# Altium PCB Sensy_Boi_pcb.PcbDoc
Units mm, origin at the board's own origin, x right, y up, seen from the top; angles counter-clockwise.
Board outline 80.4 x 77.8 mm, 2 copper layers (Top Layer, Bottom Layer); 37 components, 54 nets, 177 pads, 14 vias.
Unrouted connection lines stored in the file: 2.
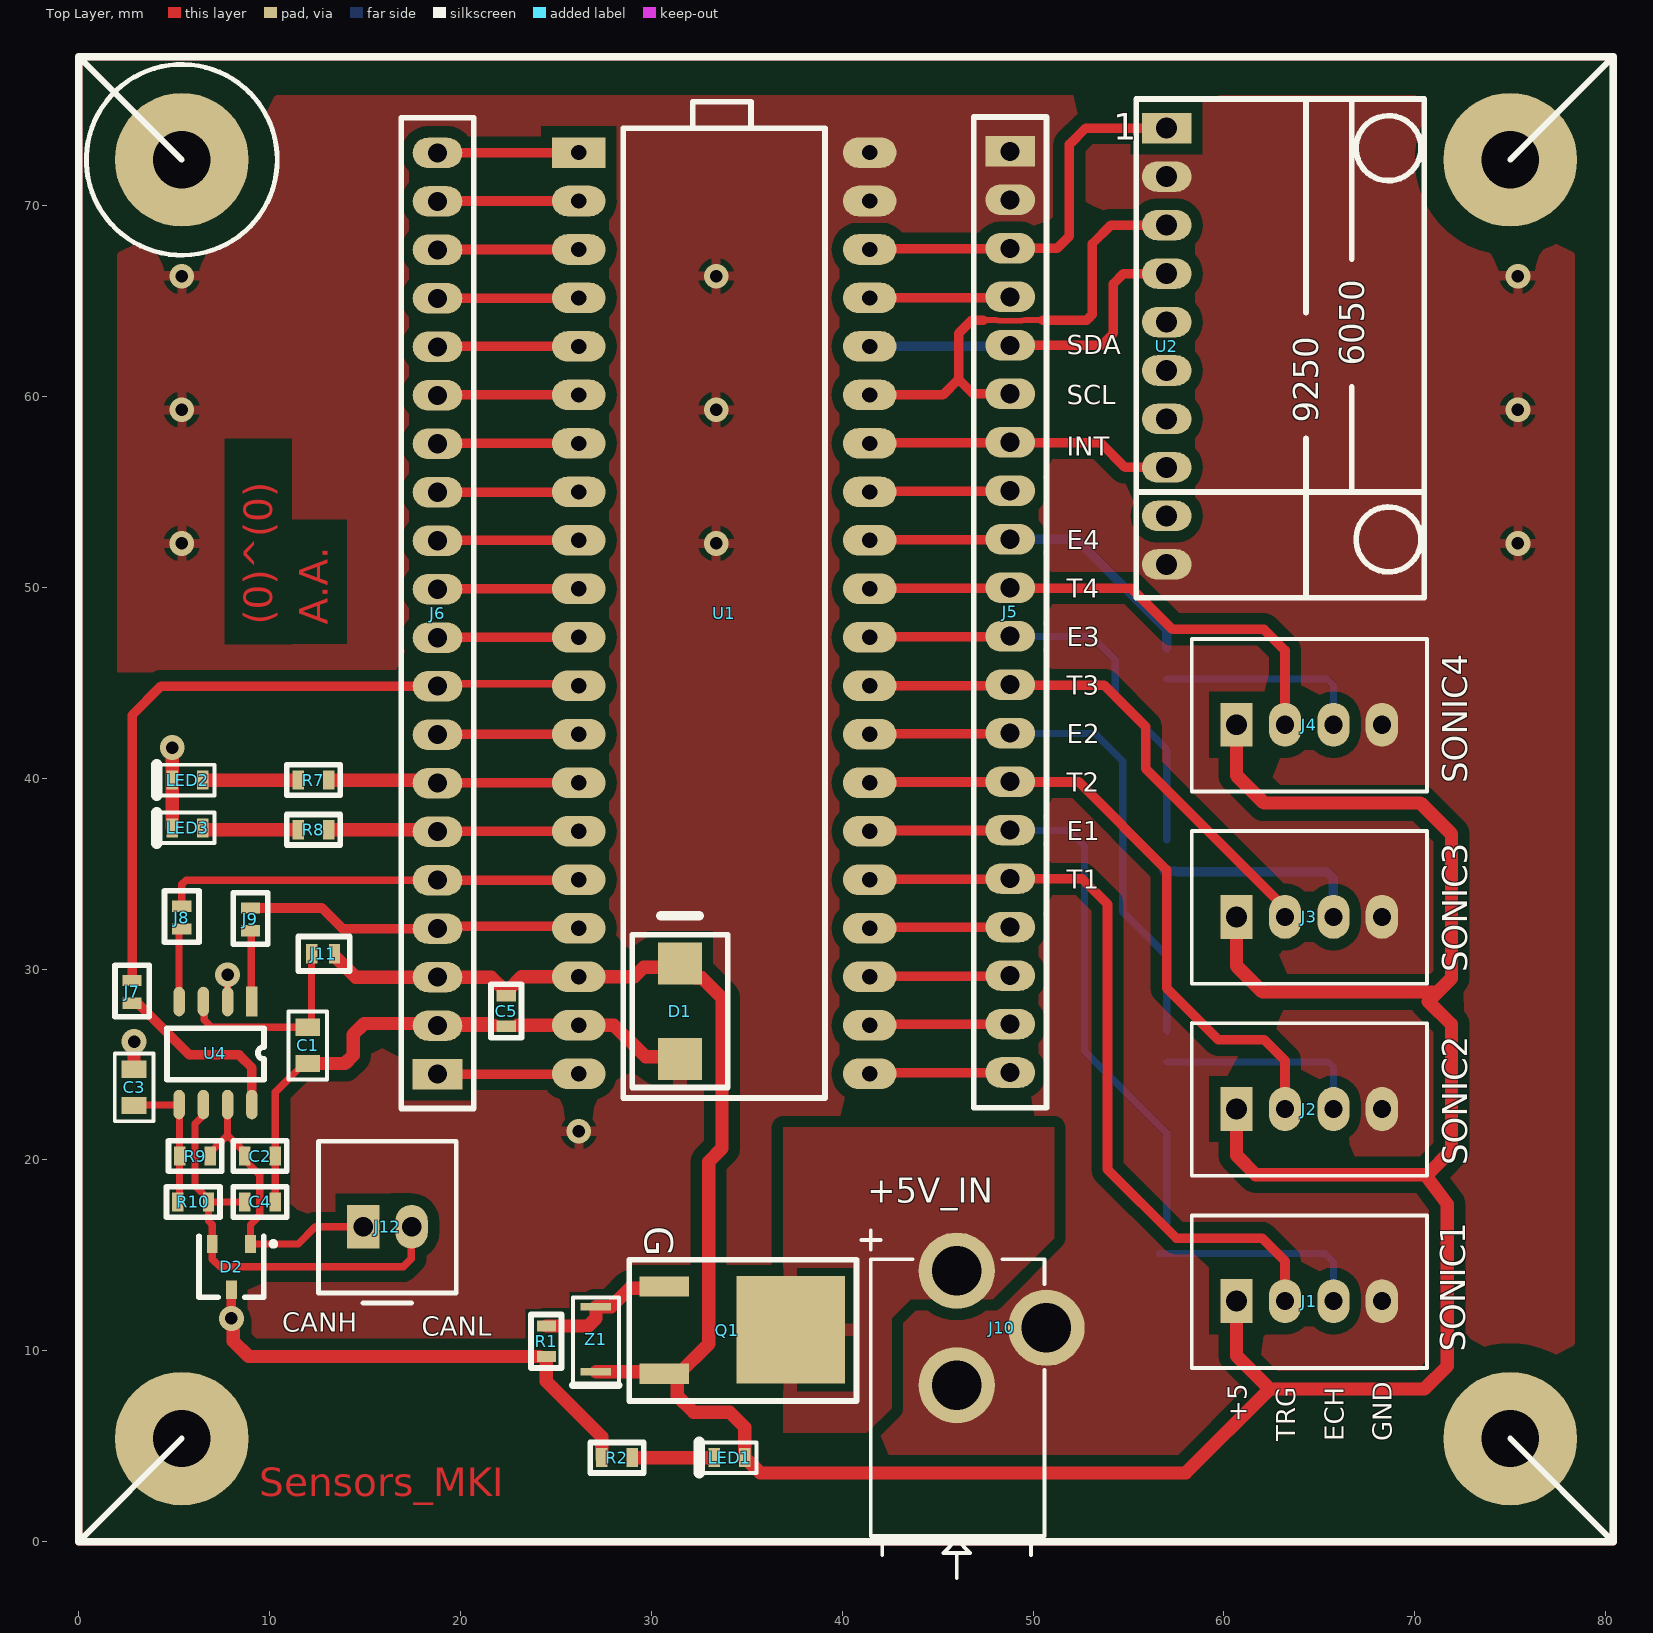
[diagram p0: Top Layer view]
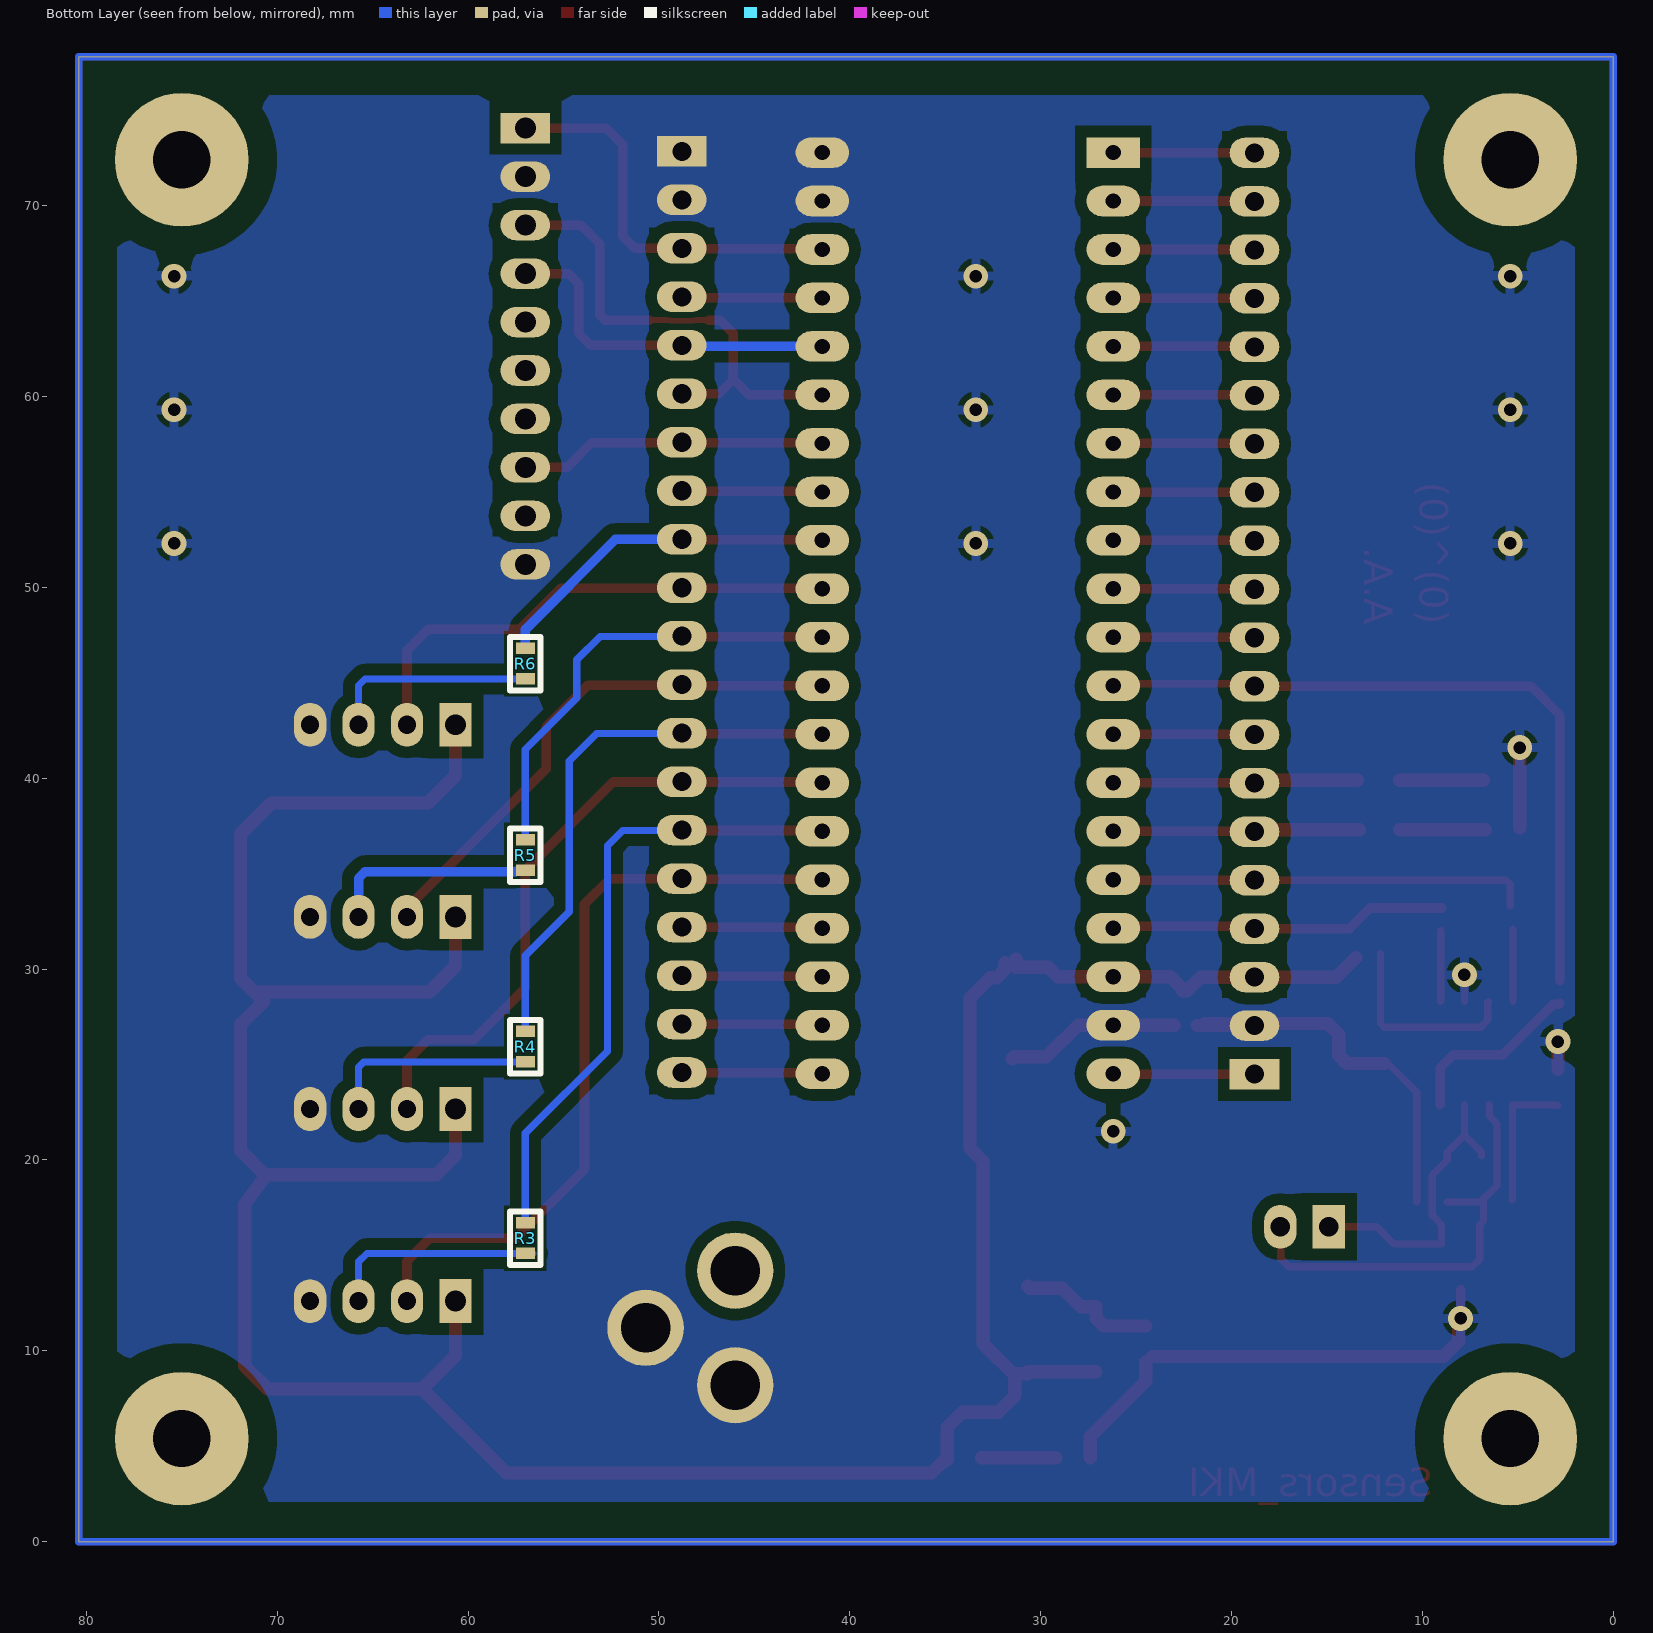
[diagram p1: Bottom Layer view, seen from below]

## Layer stack, top to bottom
Top Solder: solder mask 0.0102, Solder Resist, Dk 3.5
Top Layer: signal copper 0.0356
Dielectric 1: dielectric 0.32, FR-4, Dk 4.8
Bottom Layer: signal copper 0.0356
Bottom Solder: solder mask 0.0102, Solder Resist, Dk 3.5

## Board outline
0,0 0,77.8 80.4,77.8 80.4,0

## Design rules (kind name [scope] priority, off if disabled: settings)
BoardOutlineClearance [All] p1: gap=2 ignorepadtopadclearanceinfootprint=FALSE
Clearance Clearance_3 [InNamedPolygon('GND_L02_P007')] p1: gap=0.6 ignorepadtopadclearanceinfootprint=FALSE
Clearance Clearance_2 [InNamedPolygon('GND_L01_P008')] p2: gap=0.6 ignorepadtopadclearanceinfootprint=FALSE
Clearance Clearance_1 [InNamedPolygon('VCC_L01_P001')] p3: gap=0.4 ignorepadtopadclearanceinfootprint=FALSE
Clearance [All] p4: gap=0.3 ignorepadtopadclearanceinfootprint=FALSE
PolygonConnect [All] p1: thpad.connectstyle=Direct thpad.reliefconductorwidth=0.254 thpad.reliefentries=4 thpad.polygonreliefangle="90 Angle" thpad.airgapwidth=0.254 smdpad.connectstyle=Relief smdpad.reliefconductorwidth=0.7 smdpad.reliefentries=4 smdpad.polygonreliefangle="90 Angle" smdpad.airgapwidth=0.4 via.connectstyle=Relief via.reliefconductorwidth=0.5 via.reliefentries=4 via.polygonreliefangle="90 Angle" via.airgapwidth=0.3
RoutingVias [All] p1: holewidth=0.7 width=1.3 viastyle="Through Hole" minholewidth=0.6 minwidth=1.2 maxholewidth=0.8 maxwidth=1.4
SolderMaskExpansion [All] p1: expansion=0.102 istentingtop=FALSE
Width [All] p1: maxlimit=5 minlimit=0.3 preferedwidth=0.5
30 further rules are at their usual default settings.

## Components (designator, comment, footprint, x,y, rotation, side; value= is the part's Value field where it differs from the comment)
C1 "0805_100n" "C0805 - 0.1uf" 12,26 r90 top
C2 "0603_22p" 0603_CAP 10.3,20.2 r180 top
C3 "0805_47n" "C0805 - 0.1uf" 2.9,23.8 r270 top
C4 "0603_22p" 0603_CAP 10.3,17.8 r180 top
C5 "0603_100n" 0603_CAP 22.4,28.6 r270 top
D1 "5V ESD Protection" D0-214AA 31.5,30.3 r270 top
D2 "NUP2105L" SO-23 8,14.4 r180 top
J1 "Data HDR 1x4 2.54mm" DHDR_1x4_2.54mm 65.74,12.6 r90 top
J2 "Data HDR 1x4 2.54mm" DHDR_1x4_2.54mm 65.74,22.667 r90 top
J3 "Data HDR 1x4 2.54mm" DHDR_1x4_2.54mm 65.74,32.733 r90 top
J4 "Data HDR 1x4 2.54mm" DHDR_1x4_2.54mm 65.74,42.8 r90 top
J5 "1*20 Fem 2.54mm" "20*1 FEM 2.54mm" 48.8,72.84 r0 top
J6 "1*20 Fem 2.54mm" "20*1 FEM 2.54mm" 18.8,24.5 r180 top
J7 "Jumper Pads" JMP 2.8,28.2 r90 top
J8 "Jumper Pads" JMP 5.4,32.1 r90 top
J9 "Jumper Pads" JMP 9,32 r90 top
J10 "Barrel Power Jack" pwr_Jack 46,14.2 r180 top
J11 "Jumper Pads" JMP 12.2,30.8 r0 top
J12 "HDR SCK 1*2 100MILS" "DHDR 1*2 2,54MM" 16.17,16.5 r90 top
LED1 "0603_Red" 0603_LED 34.9,4.4 r180 top
LED2 "0603_Red" 0603_LED 6.5,39.9 r180 top
LED3 "0603_Red" 0603_LED 6.5,37.4 r180 top
Q1 "AOD403" DPAK 30.675,13.375 r270 top
R1 "10kΩ" 0603_CAP 24.5,9.7 r90 top
R2 "330Ω" 0603_CAP 27.4,4.4 r0 top
R3 "0603_1kΩ" 0603_CAP 57,16.7 r270 bottom
R4 "0603_1kΩ" 0603_CAP 57,26.733 r270 bottom
R5 "0603_1kΩ" 0603_CAP 57,36.767 r270 bottom
R6 "0603_1kΩ" 0603_CAP 57,46.8 r270 bottom
R7 "0603_10kΩ" 0603_CAP 11.5,39.9 r0 top
R8 "0603_10kΩ" 0603_CAP 11.5,37.3 r0 top
R9 "0603_1k2" 0603_CAP 5.3,20.2 r0 top
R10 "0603_1k2" 0603_CAP 6.8,17.8 r180 top
U1 "BluePill" BluePill 26.2,72.78 r0 top
U2 "MPU-9250 9-DOF" MPU9250 57,74.06 r0 top
U4 "TJA1040T" "SOP8 - duplicate" 9.07,28.3 r270 top
Z1 "5V1 LL-34" LL-34 27.1,10.6 r270 top

## Footprints (in the part's own frame and the unit in brackets; to place one, negate y for a bottom-side part, rotate by r counter-clockwise, add the part's x,y. Pads: shape width x height; smd on the part's side, far side on the other; paste and mask are expansions set on the pad)
"20*1 FEM 2.54mm" [mm]
  rect 2.6x1.6 hole 1: 1(0,0)
  oval 2.6x1.6 hole 1: 2(0,-2.54) 3(0,-5.08) 4(0,-7.62) 5(0,-10.16) 6(0,-12.7) 7(0,-15.24) 8(0,-17.78) 9(0,-20.32) 10(0,-22.86) 11(0,-25.4) 12(0,-27.94) 13(0,-30.48) 14(0,-33.02) 15(0,-35.56) 16(0,-38.1) 17(0,-40.64) 18(0,-43.18) 19(0,-45.72) 20(0,-48.26)
  silkscreen extent -1.9,-50.1 1.9,1.8, body extent -1.25,-49.73 1.25,1.47, height 8.51
0603_CAP [mm]
  rect 0.6x1 smd: 1(0,0) 2(1.6,0)
  silkscreen extent -0.6,-0.8 2.2,0.8, body extent 0,-0.4 1.6,0.4, height 0.81
0603_LED [mm]
  rect 0.6x1 smd: 1(0,0) 2(1.6,0)
  silkscreen extent -0.62,-0.8 2.4,0.8, body extent -0.01,-0.5 1.61,0.5, height 0.98
BluePill [mm] "STM32_BluePill"
  rect 2.8x1.6 hole 0.8: 1(0,0)
  oval 2.8x1.6 hole 0.8: 2(0,-2.54) 3(0,-5.08) 4(0,-7.62) 5(0,-10.16) 6(0,-12.7) 7(0,-15.24) 8(0,-17.78) 9(0,-20.32) 10(0,-22.86) 11(0,-25.4) 12(0,-27.94) 13(0,-30.48) 14(0,-33.02) 15(0,-35.56) 16(0,-38.1) 17(0,-40.64) 18(0,-43.18) 19(0,-45.72) 20(0,-48.26) 21(15.24,-48.26) 22(15.24,-45.72) 23(15.24,-43.18) 24(15.24,-40.64) 25(15.24,-38.1) 26(15.24,-35.56) 27(15.24,-33.02) 28(15.24,-30.48) 29(15.24,-27.94) 30(15.24,-25.4) 31(15.24,-22.86) 32(15.24,-20.32) 33(15.24,-17.78) 34(15.24,-15.24) 35(15.24,-12.7) 36(15.24,-10.16) 37(15.24,-7.62) 38(15.24,-5.08) 39(15.24,-2.54) 40(15.24,0)
  silkscreen extent 2.33,-49.53 12.91,2.67, body extent -4.06,-50.38 18.54,2.62, height 19.8
"C0805 - 0.1uf" [mm]
  rect 0.9x1.3 smd: 1(-0.95,0) 2(0.95,0)
  silkscreen extent -1.78,-1.02 1.78,1.02, body extent -1,-0.6 1,0.6, height 0.96
D0-214AA [mm]
  rect 2.2x2.3 smd: A(5,0) K(0,0)
  silkscreen extent -2.5,-2.5 6.5,2.5, body extent -0.25,-1.95 5.25,1.95, height 2.45
"DHDR 1*2 2,54MM" [mm]
  rect 2.3x1.7 hole 1.016: 1(0,1.27)
  oval 2.3x1.7 hole 1.016: 2(0,-1.27)
  silkscreen extent -4,-3.61 4.48,3.61, body extent -3.47,-3.61 4.48,3.61, height 10.43
DHDR_1x4_2.54mm [mm]
  rect 2.3x1.7 hole 1.1: 1(0,5.08)
  oval 2.3x1.7 hole 0.95: 2(0,2.54) 3(0,0) 4(0,-2.54)
  silkscreen extent -3.5,-4.9 4.5,7.43, body extent -3.47,-4.95 4.48,7.34, height 10.43
DPAK [mm]
  rect 5.632x5.7 smd: D(2.275,6.625)
  rect 1.06x2.6 smd: G(0,0) S(4.572,0)
  silkscreen extent -1.4,-1.83 6,10.07, body extent -0.97,-0.5 5.53,8.2, height 2.3
JMP [mm]
  rect 0.6x1 smd: 1(0,0) 2(1.2,0)
  silkscreen extent -0.7,-0.9 2,0.9
LL-34 [mm]
  rect 0.4x1.6 smd: A(-1.7,0) K(1.7,0)
  silkscreen extent -2.2,-1.2 2.4,1.2, body extent -1.75,-0.75 1.75,0.75, height 1.45
MPU9250 [mm]
  rect 2.6x1.6 hole 1.1: 1(0,0)
  oval 2.6x1.6 hole 1.1: 2(0,-2.54) 3(0,-5.08) 4(0,-7.62) 5(0,-10.16) 6(0,-12.7) 7(0,-15.24) 8(0,-17.78) 9(0,-20.32) 10(0,-22.86)
  silkscreen extent -1.6,-24.6 13.5,1.52, body extent -1.4,-24.33 13.6,1.47, height 14.7
pwr_Jack [mm]
  round 4 hole 2.6: 1(0,0) 2(-4.7,3) 3(0,6)
  silkscreen extent -4.6,-2.1 5,16.1, body extent -4.8,-0.6 4.5,13.8, height 11.01
SO-23 [mm]
  rect 0.56x0.95 smd: 1(-1,-1.2) 2(1,-1.2) 3(0,1.2)
  silkscreen extent -2.3,-1.6 1.7,1.6, body extent -1.5,-1.42 1.5,1.42, height 1.2
"SOP8 - duplicate" [mm]
  rect 1.55x0.6 smd: 1(0,0)
  oval 1.55x0.6 smd: 2(0,-1.27) 3(0,-2.54) 4(0,-3.81) 5(5.4,-3.81) 6(5.4,-2.54) 7(5.4,-1.27) 8(5.4,0)
  silkscreen extent 1.4,-4.44 4.1,0.64, body extent -0.43,-4.37 5.77,0.64, height 1.62

## Part data
C1 C3: library part C2012X5R1E105K125AA, "TDK - C2012X5R1E105K125AA - SMD Multilayer Ceramic Capacitor, 1 µF, 25 V, 0805 [2012 Metric], ± 10%, X5R, C Series", Capacitance=1uF, Case Code (Imperial)=0805, Case Code (Metric)=2012, Dielectric=X5R, Dielectric Material=Ceramic, Manufacturer 1=TDK, Max Operating Temperature=85°C, Min Operating Temperature=-55°C, Package Quantity=2000, Supplier Part Number 1=445-1419-1-ND, Tolerance=10%, Voltage=25V, Case/Package=0805, ComponentLink1Description=https://datasheet.ciiva.com/11787/0900766b80c1bb00-11787608.pdf?src-supplier=RSComponents, ComponentLink1URL=https://datasheet.ciiva.com/11787/0900766b80c1bb00-11787608.pdf?src-supplier=RSComponents, ComponentLink2Description=https://datasheet.ciiva.com/16449/e412-c-16449595.pdf?src-supplier=Future+Electronics, ComponentLink2URL=https://datasheet.ciiva.com/16449/e412-c-16449595.pdf?src-supplier=Future+Electronics, ComponentLink3Description=https://datasheet.ciiva.com/28602/1744655-28602171.pdf?src-supplier=Element14, ComponentLink3URL=https://datasheet.ciiva.com/28602/1744655-28602171.pdf?src-supplier=Element14, ComponentLink4Description=https://datasheet.ciiva.com/15192/getdatasheetpartid-726707-15192140.pdf?src-supplier=Verical, ComponentLink4URL=https://datasheet.ciiva.com/15192/getdatasheetpartid-726707-15192140.pdf?src-supplier=Verical, Depth=1.25mm, Height=1.25mm, Lead Free="Lead Free", Length=2mm, Manufacturer Part Number 1=C2012X5R1E105K125AA, Mount="Surface Mount", Number of Pins=2, Parameter Name 1="Tape and Reel", Pricing 1="1=0.23000, 10=0.15800, 50=0.09500, 100=0.08030, 500=0.05492, 1000=0.04858 (USD)", Radiation Hardening=No, REACH SVHC="No SVHC", Resistor Type=Ceramic, RoHS=Yes, Stock 1=16168, Supplier 1=Digi-Key, Termination=SMD/SMT, Thickness=0.057inch, Voltage Rating=25V, Voltage Rating (DC)=25V, Weight=0.000194oz, Width=0.049inch
C2 C4 C5: library part "0603 Capacitor"
D1: library part SMBJ5.0A
D2: "ESD Protection Dual Diode for CAN Bus Line Protection"
J1 J2 J3 J4: library part "4-Pin Data Connector", "MTA-100 Series, 2.54mm Pitch 4 Way 1 RowStraight PCB Header, Solder Term, 5A", Color=Black, Contact Current Rating=5A, Contact Resistance=6mR, Flammability Rating="UL94 V-0", Manufacturer 1="TE Connectivity", Manufacturer Part Number 1=2-644861-4, Max Operating Temperature=221°C, Max Voltage Rating (AC)=250V, Min Operating Temperature=-67°C, Package Quantity=500, Supplier Part Number 1=A30933-ND, Approvals=CSA, Backwall/Post Interruptions="No (Without)", ComponentLink1Description=https://datasheet.ciiva.com/7800/1651878-7800290.pdf?src-supplier=Element14, ComponentLink1URL=https://datasheet.ciiva.com/7800/1651878-7800290.pdf?src-supplier=Element14, ComponentLink2Description=https://datasheet.ciiva.com/15175/getdatasheetpartid-36841-15175492.pdf?src-supplier=Verical, ComponentLink2URL=https://datasheet.ciiva.com/15175/getdatasheetpartid-36841-15175492.pdf?src-supplier=Verical, ComponentLink3Description=https://datasheet.ciiva.com/11759/0900766b80f915a0-11759930.pdf?src-supplier=RSComponents, ComponentLink3URL=https://datasheet.ciiva.com/11759/0900766b80f915a0-11759930.pdf?src-supplier=RSComponents, ComponentLink4Description=https://datasheet.ciiva.com/714/eng-cd-644861-n-basefilename-714593.pdf?src-supplier=Digi-Key, ComponentLink4URL=https://datasheet.ciiva.com/714/eng-cd-644861-n-basefilename-714593.pdf?src-supplier=Digi-Key, ComponentLink5Description=https://datasheet.ciiva.com/16684/eng-ds-82056-mta-0608-16684709.pdf?src-supplier=Avnet+Europe, ComponentLink5URL=https://datasheet.ciiva.com/16684/eng-ds-82056-mta-0608-16684709.pdf?src-supplier=Avnet+Europe, ComponentLink6Description=https://datasheet.ciiva.com/16497/eng-ds-82056-mta-0608-16497871.pdf?src-supplier=Avnet+Asia, ComponentLink6URL=https://datasheet.ciiva.com/16497/eng-ds-82056-mta-0608-16497871.pdf?src-supplier=Avnet+Asia, Connector System=Wire-to-Board, Connector Type=Plug,Header,Pin, Contact Gender=Male, Contact Material="Copper Alloy", Contact Mating Length=5.1mm, Contact Plating=Tin,Matte, Contact Post Length=3.56mm, Contact Retention="No (Without)", Contact Shape=Square, Contact Style=Straight, Current Rating=5A, Depth=7.95mm, ELV=Compliant, Fastening Type=Friction, Gender=Male, Height=10.41mm, Housing Color=Black, Housing Material=Polyester, Lead Free="Lead Free", Length=12.29mm, Mating Alignment="Yes (With)", Mating Retention="Yes (With)", Mount="Through Hole", Number of Contacts=4, Number of Positions=4, Number of Rows=1, Orientation=Straight, Packaging="Loose Piece", PCB Mount Alignment="No (Without)", PCB Mount Retention=Without, PCB Mounting Orientation=Vertical, PCB Thickness=0.063inch, Pitch=2.54mm, Plating Thickness=6.35um, Pricing 1="1=0.79000, 10=0.74100, 100=0.56790, 500=0.49380, 1000=0.40739, 5000=0.35801, 10000=0.33332 (USD)", Radiation Hardening=No, REACH SVHC=Unknown, RoHS=Yes, Sealable="No (Without)", Shrouded="Yes (With)", Stock 1=18767, Strain Relief="No (Without)", Supplier 1=Digi-Key, Tail Length=3.56mm, Termination=Solder, Underplate Material=Nickel, Voltage Rating=250V, Voltage Rating (AC)=250V
J10: library part Con-Jack, "DC-Power Socket 12V 5A 2, 1mm Solder Eyel", Current Rating=5A, Manufacturer 1=Cliff, Manufacturer Part Number 1=FC68148, Supplier Part Number 1=735742, ComponentLink1Description=http://www.farnell.com/datasheets/317160.pdf?src-supplier=Farnell, ComponentLink1URL=http://www.farnell.com/datasheets/317160.pdf?src-supplier=Farnell, ComponentLink2Description=http://www.rapidonline.com/pdf/735742_da_en_01.pdf?src-supplier=Rapid+Electronics, ComponentLink2URL=http://www.rapidonline.com/pdf/735742_da_en_01.pdf?src-supplier=Rapid+Electronics, ComponentLink3Description=http://www.produktinfo.conrad.com/datenblaetter/725000-749999/735742-da-01-en-DC_BUCHSE_2_1MM_FC68148.pdf?src-supplier=Conrad, ComponentLink3URL=http://www.produktinfo.conrad.com/datenblaetter/725000-749999/735742-da-01-en-DC_BUCHSE_2_1MM_FC68148.pdf?src-supplier=Conrad, Connector Type=Socket, Height=0.25inch, Inside Diameter=6.3mm, Length=5inch, Orientation="Right Angle", Parameter Name 1=Bulk, RoHS=Yes, Supplier 1=Conrad, Weight=0.1lb, Width=3inch
J12: library part "2-Pin Data Connector", "Conn Shrouded Header HDR 2 POS 2.54mm Solder ST Thru-Hole", Color=Black, Contact Current Rating=5A, Contact Resistance=6mR, Flammability Rating="UL94 V-0", Manufacturer 1="TE Connectivity", Manufacturer Part Number 1=2-644861-2, Max Operating Temperature=221°C, Max Voltage Rating (AC)=250V, Min Operating Temperature=-67°C, Package Quantity=500, Supplier Part Number 1=A30931-ND, Approvals=CSA, Backwall/Post Interruptions="No (Without)", ComponentLink1Description=https://datasheet.ciiva.com/16303/eng-ds-82056-mta-0608-16303634.pdf?src-supplier=Future+Electronics, ComponentLink1URL=https://datasheet.ciiva.com/16303/eng-ds-82056-mta-0608-16303634.pdf?src-supplier=Future+Electronics, ComponentLink2Description=https://datasheet.ciiva.com/30111/8852eng-ds-82056-mta-0608-30111398.pdf?src-supplier=Onlinecomponents.com, ComponentLink2URL=https://datasheet.ciiva.com/30111/8852eng-ds-82056-mta-0608-30111398.pdf?src-supplier=Onlinecomponents.com, ComponentLink3Description=https://datasheet.ciiva.com/709/eng-cd-644861-n-basefilename-709739.pdf?src-supplier=Digi-Key, ComponentLink3URL=https://datasheet.ciiva.com/709/eng-cd-644861-n-basefilename-709739.pdf?src-supplier=Digi-Key, ComponentLink4Description=https://datasheet.ciiva.com/3118/eng-ds-82056-mta-0608-3118126.pdf?src-supplier=Avnet, ComponentLink4URL=https://datasheet.ciiva.com/3118/eng-ds-82056-mta-0608-3118126.pdf?src-supplier=Avnet, Connector System=Wire-to-Board, Connector Type=Plug,Header,Pin, Contact Gender=Male, Contact Material="Copper Alloy", Contact Mating Length=5.1mm, Contact Plating=Tin,Matte, Contact Post Length=3.56mm, Contact Retention="No (Without)", Contact Shape=Square, Contact Style=Straight, Current Rating=5A, Depth=7.95mm, ELV=Compliant, Fastening Type=Friction, Gender=Male, Height=10.41mm, Housing Color=Black, Housing Material=Polyester, Lead Free="Lead Free", Length=7.21mm, Mating Alignment="Yes (With)", Mating Retention="Yes (With)", Mount="Through Hole", Number of Contacts=2, Number of Positions=2, Number of Rows=1, Orientation=Straight, Packaging=Bag, PCB Mount Alignment="No (Without)", PCB Mount Retention=Without, PCB Mounting Orientation=Vertical, PCB Thickness=0.063inch, Pitch=2.54mm, Plating Thickness=6.3um, Pricing 1="1=0.41000, 10=0.39200, 100=0.27420, 500=0.23506, 1000=0.19588, 5000=0.16790, 10000=0.15670 (USD)", Radiation Hardening=No, REACH SVHC=Unknown, RoHS=Yes, Sealable="No (Without)", Shrouded="Yes (With)", Stock 1=3206, Strain Relief="No (Without)", Supplier 1=Digi-Key, Tail Length=3.56mm, Termination=Solder, Underplate Material=Nickel, Voltage Rating=250V, Voltage Rating (AC)=250V
LED1 LED2 LED3: library part 0603LED
Q1: "MOSFET Transistor P-Channel 30V 15A 3.5V @ 250uA 6mΩ @ 20A,20V 2.5W TO-252-2(DPAK)"
R1 R2 R7 R8 R9 R10: library part "0603 Resistor"
R3 R4 R5 R6: library part "0603 Resistor", "1k +/- 1 100mW"
U1: library part "STM32 BluePill"
U2: library part "MPU-9250 IMU"
U4: "CAN Transceiver"
Z1: library part "Zener 5V1 LL-34"

## Free pads (board coordinates)
  round 7 hole 3: 1(5.4,72.4) 1(5.4,5.4) 1(75,5.4) 1(75,72.4)

## Via types
v1: diameter 1.3, hole 0.65, Top Layer to Bottom Layer, 14 vias

## Nets (pads, with @x,y where several pads share a name; then routed paths per layer and width w, separated by ;. In a path a pad name is that pad's centre, name@x,y a point inside that pad or via, vN(x,y) a via of type N, cw(c..) or ccw(c..) an arc to the next point about the centre after c; other vN are vias at no path point)
+3V3_1: J6.1 U1.20 | length 8.2
  Top Layer w0.5: J6.1@17.96,24.5 U1.20@26.18,24.5
+3V3_2: J5.3 U1.38 U2.1 | length 21.8
  Top Layer w0.5: U1.38@41.48,67.74 J5.3@49.7,67.74 ; J5.3 51.26,67.76 51.9,68.4 51.9,73.2 52.76,74.06 U2.1
+5V: C5.1 D1.K J1.1 J2.1 J3.1 J4.1 J6.3 J11.2 LED1.1 Q1.S U1.18 Z1.K | length 170.7
  Top Layer w0.7: J11.2@13.5,30.6 14.52,29.58 J6.3 21.62,29.58 22.35,28.85 22.55,28.85 22.55,28.95 23.2,29.6 U1.18 29.1,29.6 29.6,30.1 31.3,30.1 D1.K D1.K@31.275,30.525 ; Z1.K 30.675,8.9 Q1.S 31.445,8.803 33,10.358 33,19.9 33.7,20.6 33.7,28.5 32.65,29.55 32.3,29.55 31.873,29.977 D1.K@31.873,30.327 ; Q1.S@31.367,8.623 31.367,7.633 32.213,6.787 34.113,6.787 34.9,6 LED1.1 34.9,4.3 34.95,4.25 35.05,4.25 35.7,3.6 58,3.6 62.4,8 ; J1.1 60.66,9.74 62.4,8 ; J2.1 60.66,20.24 61.675,19.225 70.551,19.225 ; J3.1 60.66,30.16 62.02,28.8 71.2,28.8 ; J4.1 60.66,40.14 62.1,38.7 70.3,38.7 71.925,37.075 71.925,29.525 71.2,28.8 ; 62.4,8 70.5,8 71.7,9.2 71.7,17.452 71.7,17.685 70.551,19.225 ; 70.551,19.225 70.65,19.225 71.925,20.5 71.925,27.1 71.9,27.1 70.7,28.3 71.2,28.8
CAN_H: C2.2 D2.1 J12.1 R9.2 U4.7 | length 16.9
  Top Layer w0.381: R9.2 6.9,20.4 7.8,21.3 ; U4.7 7.8,21.3 ; J12.1@14.24,15.8 14.9,16.46 J12.1 12.4,16.5 11.5,15.6 D2.1 9,16.606 9.49,17.097 9.49,19.21 8.7,20 C2.2 8.7,20.4 7.8,21.3
CAN_L: C4.2 D2.2 J12.2 R10.1 U4.6 | length 23
  Top Layer w0.381: U4.6@6.517,22.887 6.488,22.858 6.488,22.287 6.096,21.895 6.096,18.64 6.627,18.11 6.69,18.11 6.8,18 R10.1 ; D2.2@7.001,15.599 7.001,14.799 7.4,14.4 17,14.4 17.427,14.827 J12.2@17.427,16.487 ; D2.2 7,16.6 6.8,16.8 R10.1 ; C4.2 6.987,17.8 R10.1
CAN_RX: J8.1 U4.4 | length 3.8
  Top Layer w0.381: U4.4 J8.1@5.26,32.1
CAN_STB: J7.1 U4.8 | length 9.6
  Top Layer w0.5: J7.1 2.85,28.15 3.15,28.15 5.8,25.5 8.4,25.5 9.07,24.83 U4.8
CAN_TX: J9.1 U4.1 | length 3.7
  Top Layer w0.381: J9.1@9.035,32 9.035,28.335 U4.1
Echo_1: J5.15 R3.1 U1.26 | length 33.1
  Top Layer w0.5: U1.26@41.48,37.26 J5.15@49.7,37.26
  Bottom Layer w0.381: J5.15@49.7,37.26 51.9,37.26 52.7,36.46 52.7,25.7 57,21.4 R3.1
Echo_2: J5.13 R4.1 U1.28 | length 28.9
  Top Layer w0.5: U1.28@41.48,42.34 J5.13@49.7,42.34
  Bottom Layer w0.381: J5.13@49.7,42.34 53.26,42.34 54.7,40.9 54.7,33 57,30.7 R4.1
Echo_3: J5.11 R5.1 U1.30 | length 23.9
  Top Layer w0.5: U1.30@41.48,47.42 J5.11@49.7,47.42
  Bottom Layer w0.381: J5.11@49.7,47.42 53.08,47.42 54.3,46.2 54.3,44.2 57,41.5 R5.1
Echo_4: J5.9 R6.1 U1.32 | length 18.3
  Top Layer w0.5: U1.32@41.48,52.5 J5.9@49.7,52.5
  Bottom Layer w0.5: J5.9@49.91,52.508 52.292,52.508 57,47.8 R6.1
GND: C1.1 C2.1 C3.1 C4.1 C5.2 D1.A D2.3 J1.4 J2.4 J3.4 J4.4 J5.1 J5.2 J6.2 J10.2 J10.3 LED2.2 LED3.2 pad.1@5.4,72.4 pad.1@75,72.4 R1.1 R2.1 U1.19 U1.39 U1.40 U2.2 U2.10 U4.2 | length 63.6
  Top Layer w0.381: U4.2 v1(7.8,29.7) ; C4.1 C2.1 10.3,23.55 11.8,25.05 C1.1
  Top Layer w0.5: v1(8,11.7) D2.3
  Top Layer w0.7: C3.1 v1(2.9,26.2) ; LED3.2 LED2.2 v1(4.9,41.6) ; v1(8,11.7) 8.1,11.6 8.1,10.5 8.9,9.7 R1.1@24.15,9.7 ; C1.1 13.95,25.05 14.375,25.475 14.375,26.575 14.95,27.15 21.4,27.15 ; J6.2 21.8,27.04 ; 22.994,27.06 U1.19@26.194,27.06 ; 24.5,9.4 24.5,8.4 27.4,5.5 R2.1 ; U1.19 28.04,27.06 29.7,25.4 31.4,25.4 D1.A D1.A@31.45,25.3
  other v1: 26.2,21.5 5.4,52.3 33.4,52.3 75.4,52.3 5.4,59.3 33.4,59.3 75.4,59.3 5.4,66.3 33.4,66.3 75.4,66.3
MISO2: J6.18 U1.3 | length 8.2
  Top Layer w0.5: J6.18@17.98,67.7 U1.3
MOSI2: J6.17 U1.4 | length 8.2
  Top Layer w0.5: J6.17@17.96,65.14 U1.4@26.18,65.14
NetC1_2: C1.2 J11.1 U4.3 | length 10.5
  Top Layer w0.381: U4.3 6.572,28.258 6.572,27.328 6.95,26.95 C1.2 12.2,27.15 J11.1
NetJ1_3: J1.3 R3.2 | length 11.4
  Bottom Layer w0.381: R3.2@56.615,15.1 R3.2 65.3,15.1 65.74,14.66 J1.3
NetJ2_3: J2.3 R4.2 | length 11
  Bottom Layer w0.381: R4.2 65.467,25.133 65.74,24.86 J2.3
NetJ3_3: J3.3 R5.2 | length 11
  Bottom Layer w0.5: R5.2@56.885,35.117 57.496,35.117 57.513,35.1 65.4,35.1 65.74,34.76 J3.3
NetJ4_3: J4.3 R6.2 | length 10.9
  Bottom Layer w0.381: R6.2 65.4,45.2 65.74,44.86 J4.3
NetLED1_2: LED1.2 R2.2 | length 3.9
  Top Layer w0.7: R2.2@29.2,4.4 LED1.2@33.1,4.4
NetLED2_1: LED2.1 R7.1 | length 4.4
  Top Layer w0.7: 6.8,39.9 11.2,39.9
NetLED3_1: LED3.1 R8.1 | length 4.5
  Top Layer w0.7: LED3.1@6.7,37.3 11.2,37.3
NetQ1_G: Q1.G R1.2 Z1.A | length 7.4
  Top Layer w0.7: R1.2 26.69,11.3 27.1,11.71 Z1.A 27.9,12.3 28.868,13.268 30.568,13.268 Q1.G
NRST: J5.4 U1.37 | length 8.2
  Top Layer w0.5: U1.37@41.46,65.18 J5.4@49.68,65.18
PA8: J6.16 U1.5 | length 8.2
  Top Layer w0.5: J6.16@17.98,62.62 U1.5
PA11: J6.13 U1.8 | length 8.2
  Top Layer w0.5: J6.13@17.96,54.98 U1.8@26.18,54.98
PA12: J6.12 U1.9 | length 8.2
  Top Layer w0.5: J6.12@17.98,52.46 U1.9
PA15: J6.11 U1.10 | length 8.2
  Top Layer w0.5: J6.11@17.98,49.92 U1.10
PB0: J5.8 U1.33 | length 8.2
  Top Layer w0.5: U1.33@41.48,55.04 J5.8@49.7,55.04
PB1: J5.7 U1.34 U2.8 | length 16.1
  Top Layer w0.5: U1.34@41.48,57.58 49.7,57.58 53.52,57.58 54.82,56.28 U2.8
PB3: J6.10 U1.11 | length 8.2
  Top Layer w0.5: J6.10@17.98,47.38 U1.11
PB4: J6.9 J7.2 U1.12 | length 38
  Top Layer w0.381: J6.9@18.8,44.95 26.09,44.95 U1.12
  Top Layer w0.5: J7.2 2.8,43.3 4.32,44.82 J6.9
PB5: J6.8 U1.13 | length 8.2
  Top Layer w0.5: J6.8@17.98,42.3 U1.13
PB6: J6.7 R7.2 U1.14 | length 13
  Top Layer w0.5: J6.7@18.64,39.76 18.78,39.76 U1.14
  Top Layer w0.7: R7.2@13.4,39.9 18.64,39.9 18.78,39.76 J6.7
PB7: J6.6 R8.2 U1.15 | length 12.9
  Top Layer w0.5: J6.6@18.779,37.22 U1.15
  Top Layer w0.7: R8.2@13.3,37.3 J6.6@18.779,37.3
PB8: J6.5 J8.2 U1.16 | length 22.8
  Top Layer w0.381: J8.2 5.4,34.437 5.623,34.66 J6.5
  Top Layer w0.5: J6.5@17.96,34.66 18.56,34.66 J6.5 U1.16@26.18,34.66
PB9: J6.4 J9.2 U1.17 | length 17.7
  Top Layer w0.381: U1.17@26.09,32.25 U1.17
  Top Layer w0.5: J9.2 12.74,33.2 13.82,32.12 J6.4 ; J6.4@18.8,32.25 U1.17@26.09,32.25
PC13: J5.19 U1.22 | length 8.2
  Top Layer w0.5: U1.22@41.5,27.12 J5.19@49.72,27.12
PC14: J5.18 U1.23 | length 8.2
  Top Layer w0.5: U1.23@41.46,29.62 J5.18@49.68,29.62
PC15: J5.17 U1.24 | length 8.2
  Top Layer w0.5: U1.24@41.48,32.18 J5.17@49.7,32.18
RX1: J6.14 U1.7 | length 8.2
  Top Layer w0.5: J6.14@17.98,57.54 U1.7
SCK2: J6.19 U1.2 | length 8.2
  Top Layer w0.5: J6.19@17.98,70.24 U1.2
SCL2: J5.6 U1.35 U2.3 | length 25.9
  Top Layer w0.3: 47.4,64 48.028,64 ccw(c48.3,65.22) 48.3,63.97 49.3,63.97 ccw(c49.3,65.22) 49.546,63.994 cw(c49.603,63.7) 49.603,64 50.5,64
  Top Layer w0.5: U1.35 45.28,60.08 46.1,60.9 ; 47.4,64 46.8,64 46.1,63.3 46.1,60.9 ; J5.6 46.86,60.14 46.1,60.9 ; J5.6@49.651,60.071 J5.6@49.7,60.12 ; 50.5,64 52.807,64 52.954,64.146 53.1,64.293 53.1,68 54.08,68.98 U2.3
SDA2: J5.5 U1.36 U2.4 | length 18.6
  Top Layer w0.5: J5.5@49.722,62.682 53.582,62.682 54.2,63.3 54.2,65.9 54.74,66.44 U2.4
  Bottom Layer w0.5: U1.36 41.46,62.64 49.68,62.64 J5.5@49.7,62.66
SPLT: C3.2 R9.1 R10.2 U4.5 | length 7.4
  Top Layer w0.381: C3.2 2.925,22.875 5.235,22.875 U4.5 5.28,22.88 5.28,17.92 R10.2@5.3,17.9
SS2: J6.20 U1.1 | length 8.2
  Top Layer w0.5: J6.20@17.98,72.78 U1.1
Trig_1: J1.2 J5.16 U1.25 | length 40.3
  Top Layer w0.5: U1.25@41.46,34.7 J5.16@49.68,34.7 ; J5.16@49.7,34.72 52.58,34.72 53.9,33.4 53.9,19.5 57.5,15.9 62,15.9 63.2,14.7 J1.2
Trig_2: J2.2 J5.14 U1.27 | length 33.9
  Top Layer w0.5: U1.27@41.48,39.8 49.7,39.8 52.4,39.8 57,35.2 57,29 59.7,26.3 62.1,26.3 63.2,25.2 J2.2
Trig_3: J3.2 J5.12 U1.29 | length 28.4
  Top Layer w0.5: U1.29 49.66,44.84 49.7,44.88 53.72,44.88 55.9,42.7 55.9,40.5 63.2,33.2 J3.2
Trig_4: J4.2 J5.10 U1.31 | length 27
  Top Layer w0.381: U1.31 U1.31@41.46,49.94
  Top Layer w0.5: U1.31@41.46,49.94 49.68,49.94 49.7,49.96 55.14,49.96 57.3,47.8 62.1,47.8 63.2,46.7 J4.2
TX1: J6.15 U1.6 | length 8.2
  Top Layer w0.5: J6.15@17.98,60.08 U1.6
VBAT: J5.20 U1.21 | length 8.2
  Top Layer w0.5: U1.21@41.48,24.56 J5.20@49.7,24.56
VCC: J10.1 Q1.D
pads on no net: U2.5 U2.6 U2.7 U2.9
copper on no net: | length 632.6
  Top Layer w0.4: 0,0 80.4,0 80.4,77.8 0,77.8 0,0.1
  Bottom Layer w0.4: 0,0 80.4,0 80.4,77.8 0,77.8 0,0.1

## Polygon pours and split planes (outlines as drawn)
VCC on Top Layer "VCC_L01_P006" (solid, pour order 6): 36.9,5.7 36.9,21.7 51.1,21.7 51.1,15.9 47.9,12.7 43.6,12.7 42.6,11.7 42.6,7 41.3,5.7
GND on Top Layer "GND_L01_P008" (solid, remove dead copper, pour order 8): 0,77.8 0,0 80.4,0 80.4,77.8
GND on Bottom Layer "GND_L02_P007" (solid, pour order 7): 0,2.1 80.4,2.1 80.4,77.8 0,77.8

## Other copper
Top Layer:
  pour cut-out: 75,67.4 cw(c75,72.4) 70,72.4 cw(c75,72.4) 75,77.4 cw(c75,72.4) 80,72.4 cw(c75,72.4)
  pour cut-out: 75,0.4 cw(c75,5.4) 70,5.4 cw(c75,5.4) 75,10.4 cw(c75,5.4) 80,5.4 cw(c75,5.4)
  pour cut-out: 5.4,0.4 cw(c5.4,5.4) 0.4,5.4 cw(c5.4,5.4) 5.4,10.4 cw(c5.4,5.4) 10.4,5.4 cw(c5.4,5.4)
  pour cut-out: 5.4,67.4 cw(c5.4,72.4) 0.4,72.4 cw(c5.4,72.4) 5.4,77.4 cw(c5.4,72.4) 10.4,72.4 cw(c5.4,72.4)
  pour cut-out: 2.01,45.551 2.01,30.4 18.1,30.4 18.1,45.5
  text "(0)^(0)" at 10.15,48.026 h1.5 r90
  text "A.A." at 13.05,48.051 h1.5 r90
  text "Sensors_MKI" at 9.453,2.375 h1.5
Bottom Layer:
  pour cut-out: 5.4,67.4 cw(c5.4,72.4) 0.4,72.4 cw(c5.4,72.4) 5.4,77.4 cw(c5.4,72.4) 10.4,72.4 cw(c5.4,72.4)
  pour cut-out: 75,67.4 cw(c75,72.4) 70,72.4 cw(c75,72.4) 75,77.4 cw(c75,72.4) 80,72.4 cw(c75,72.4)
  pour cut-out: 75,0.4 cw(c75,5.4) 70,5.4 cw(c75,5.4) 75,10.4 cw(c75,5.4) 80,5.4 cw(c75,5.4)
  pour cut-out: 5.4,0.4 cw(c5.4,5.4) 0.4,5.4 cw(c5.4,5.4) 5.4,10.4 cw(c5.4,5.4) 10.4,5.4 cw(c5.4,5.4)
  pour cut-out: 55.3,70.12 55.3,52.668 58.7,52.668 58.7,70.12
  pour cut-out: 50.5,23.44 50.5,68.84 47.1,68.84 47.1,23.44
  pour cut-out: 43.14,23.38 43.14,68.78 39.74,68.78 39.74,23.38
  pour cut-out: 24.5,73.92 24.5,28.52 27.9,28.52 27.9,73.92
  pour cut-out: 17.1,73.9 17.1,28.5 20.5,28.5 20.5,73.9

## Silkscreen, mask and mechanical layers (free items; w line width, h text height)
Top Overlay:
  circle w0.254: c5.4,72.4 r5
  lines w0.3: 0,0 5.4,5.4 ; 0,77.8 5.4,72.4 ; 55.5,55 70.4,55 ; 64.3,49.5 64.3,57.8 ; 64.3,64.4 64.3,75.5 ; 66.7,60.5 66.7,55.1 66.8,55 ; 66.7,67.2 66.7,75.5 ; 75,5.4 80.4,0 ; 75,72.4 80.4,77.8
  lines w0.4: 0,0 80.4,0 80.4,77.8 0,77.8 0,0.1
  text "SDA" at 51.767,62.2 h1
  text "6050" at 67.35,61.617 h1.3 r90
  text "SCL" at 51.767,59.6 h1
  text "9250" at 64.95,58.617 h1.3 r90
  text "INT" at 51.767,56.9 h1
  text "E4" at 51.767,52 h1
  text "T4" at 51.767,49.457 h1
  text "E3" at 51.767,46.914 h1
  text "T3" at 51.767,44.372 h1
  text "E2" at 51.767,41.829 h1
  text "SONIC4" at 72.75,39.726 h1.3 r90
  text "T2" at 51.767,39.286 h1
  text "E1" at 51.767,36.743 h1
  text "T1" at 51.767,34.2 h1
  text "SONIC3" at 72.75,29.826 h1.3 r90
  text "SONIC2" at 72.75,19.726 h1.3 r90
  text "+5V_IN" at 41.326,17.759 h1.3
  text "CANH" at 10.667,11 h1
  text "CANL" at 17.967,10.8 h1
  text "SONIC1" at 72.65,9.943 h1.3 r90
  text "+5" at 61.2,6.267 h1 r90
  text "TRG" at 63.733,5.267 h1 r90
  text "ECH" at 66.267,5.267 h1 r90
  text "GND" at 68.8,5.267 h1 r90

## Text inside footprints (layer, text, board x,y; h text height)
Q1: Top Overlay "G" at 29.65,16.525 h1.5 r270
U2: Top Overlay "1" at 54.2,73.46 h1.4